# Altium PCB board.PcbDoc (part 1 of 2) (continued)
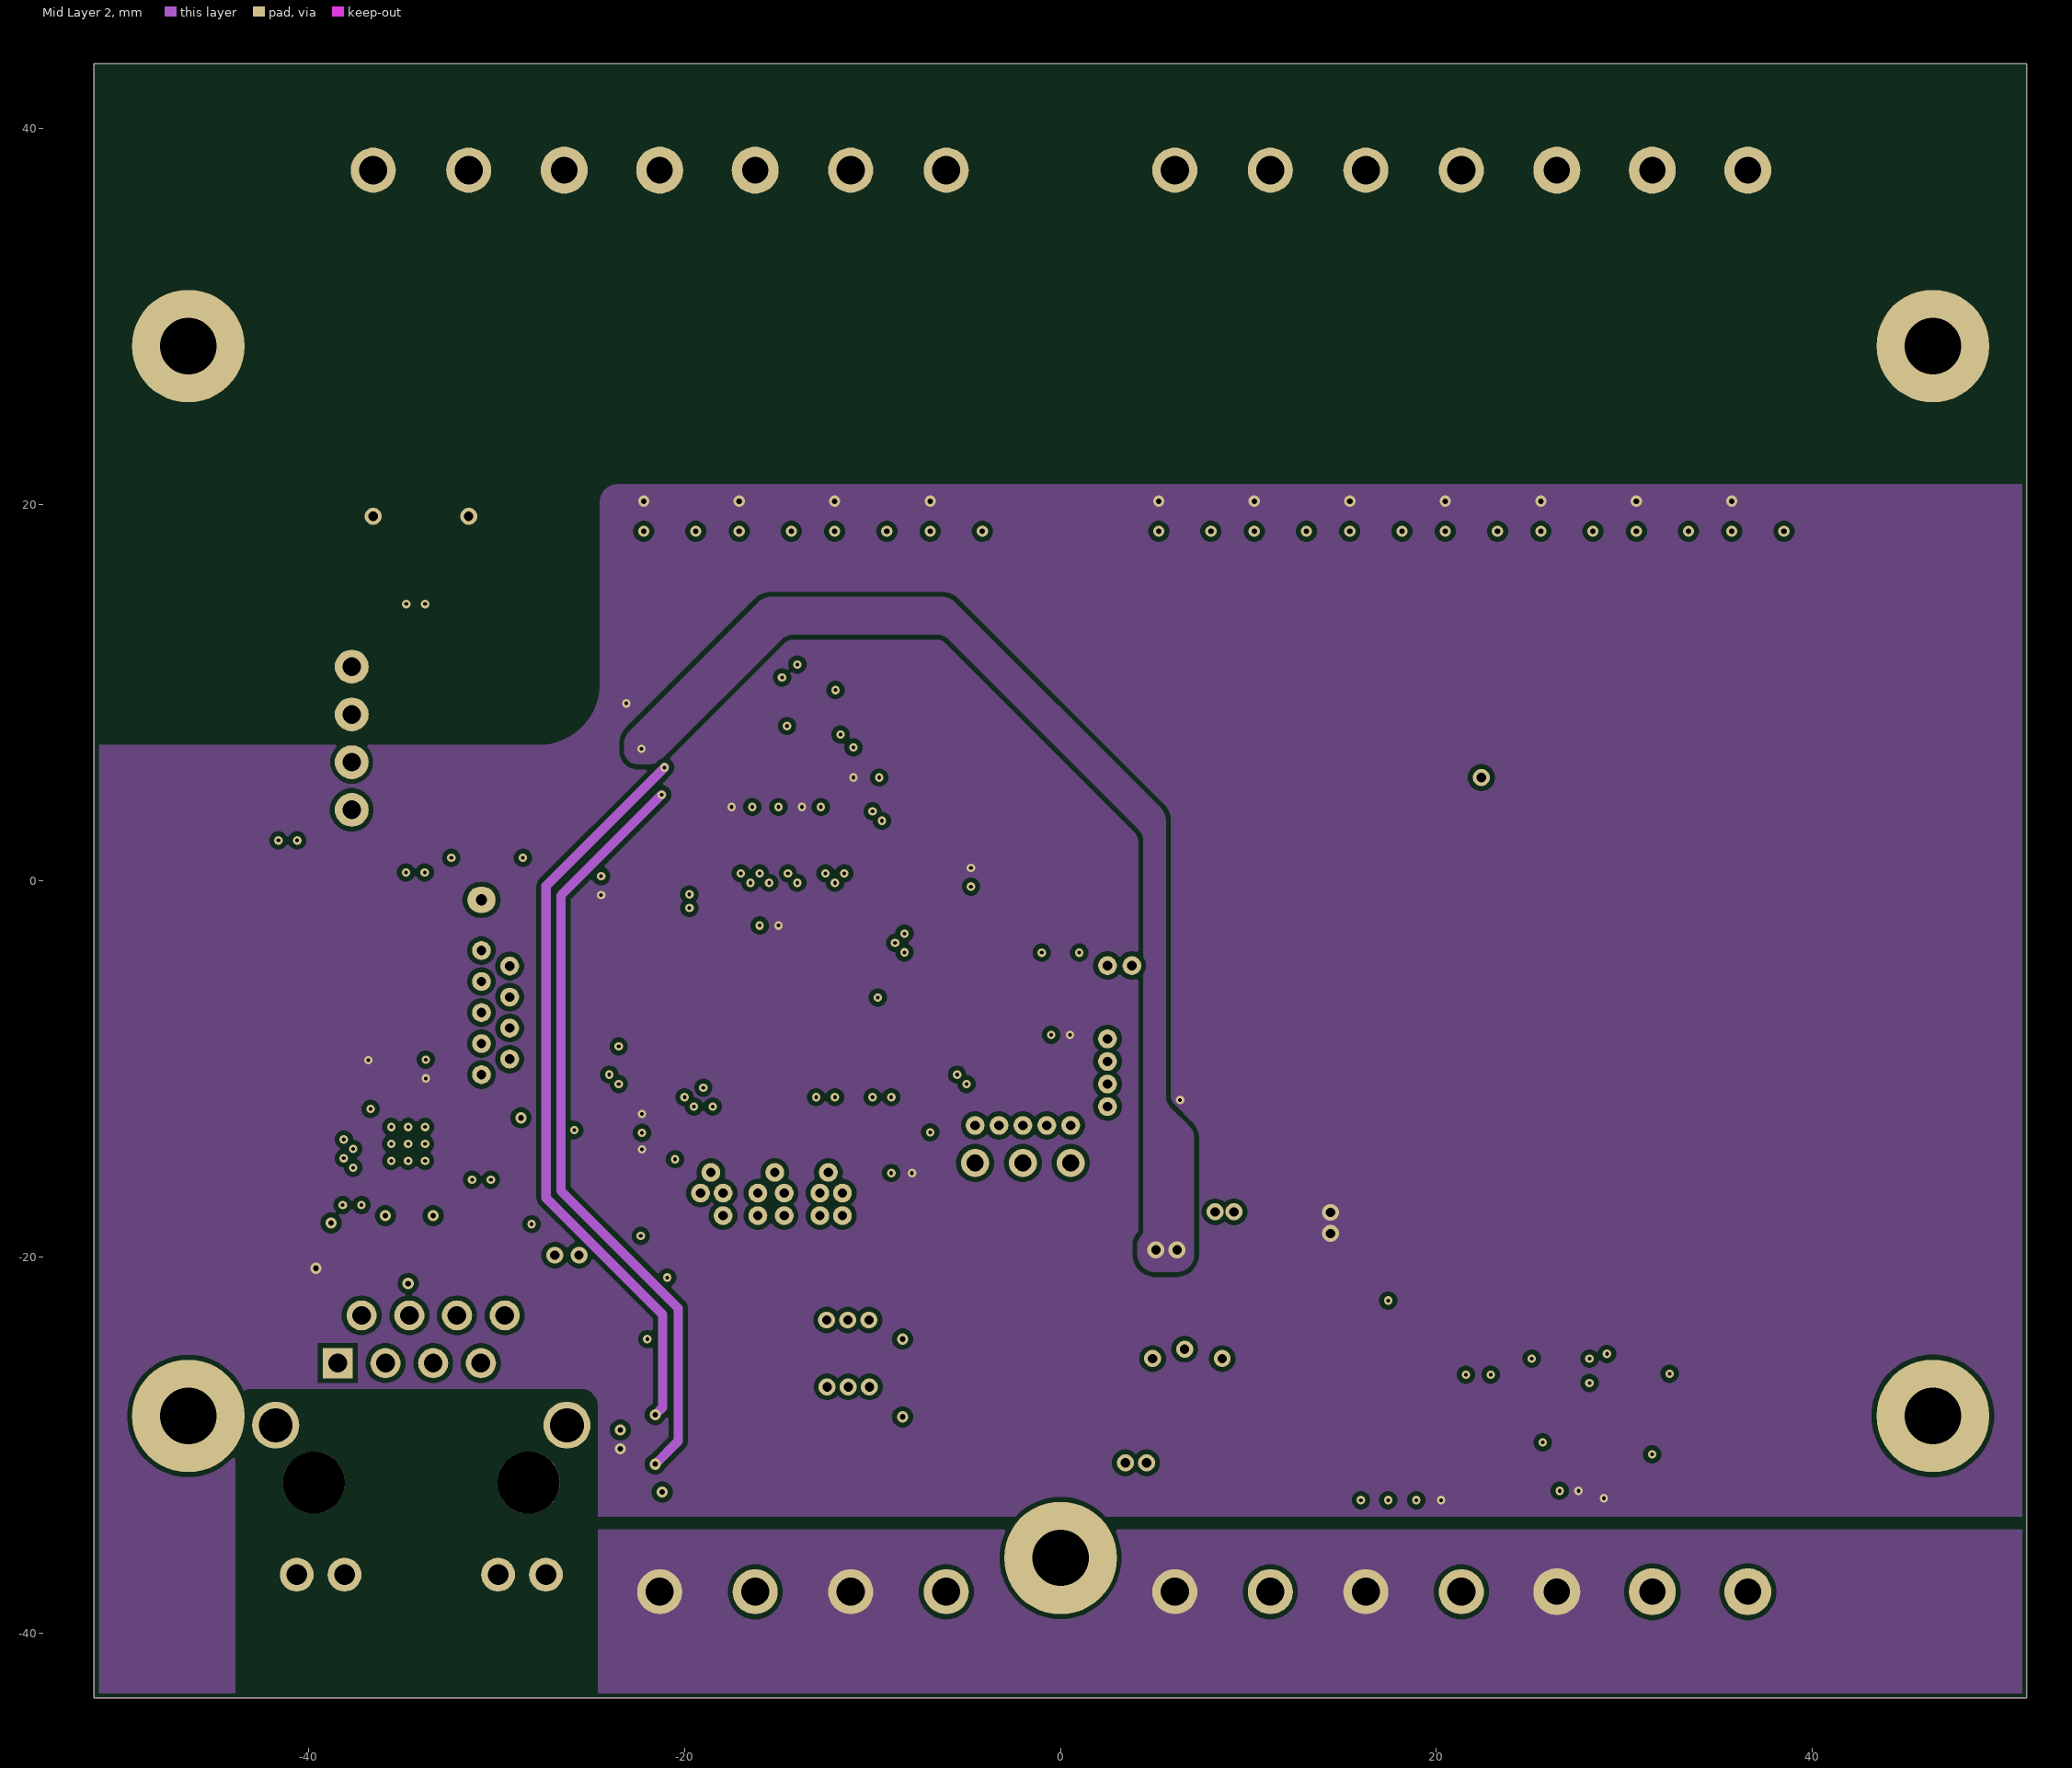
[diagram p3: Mid Layer 2]
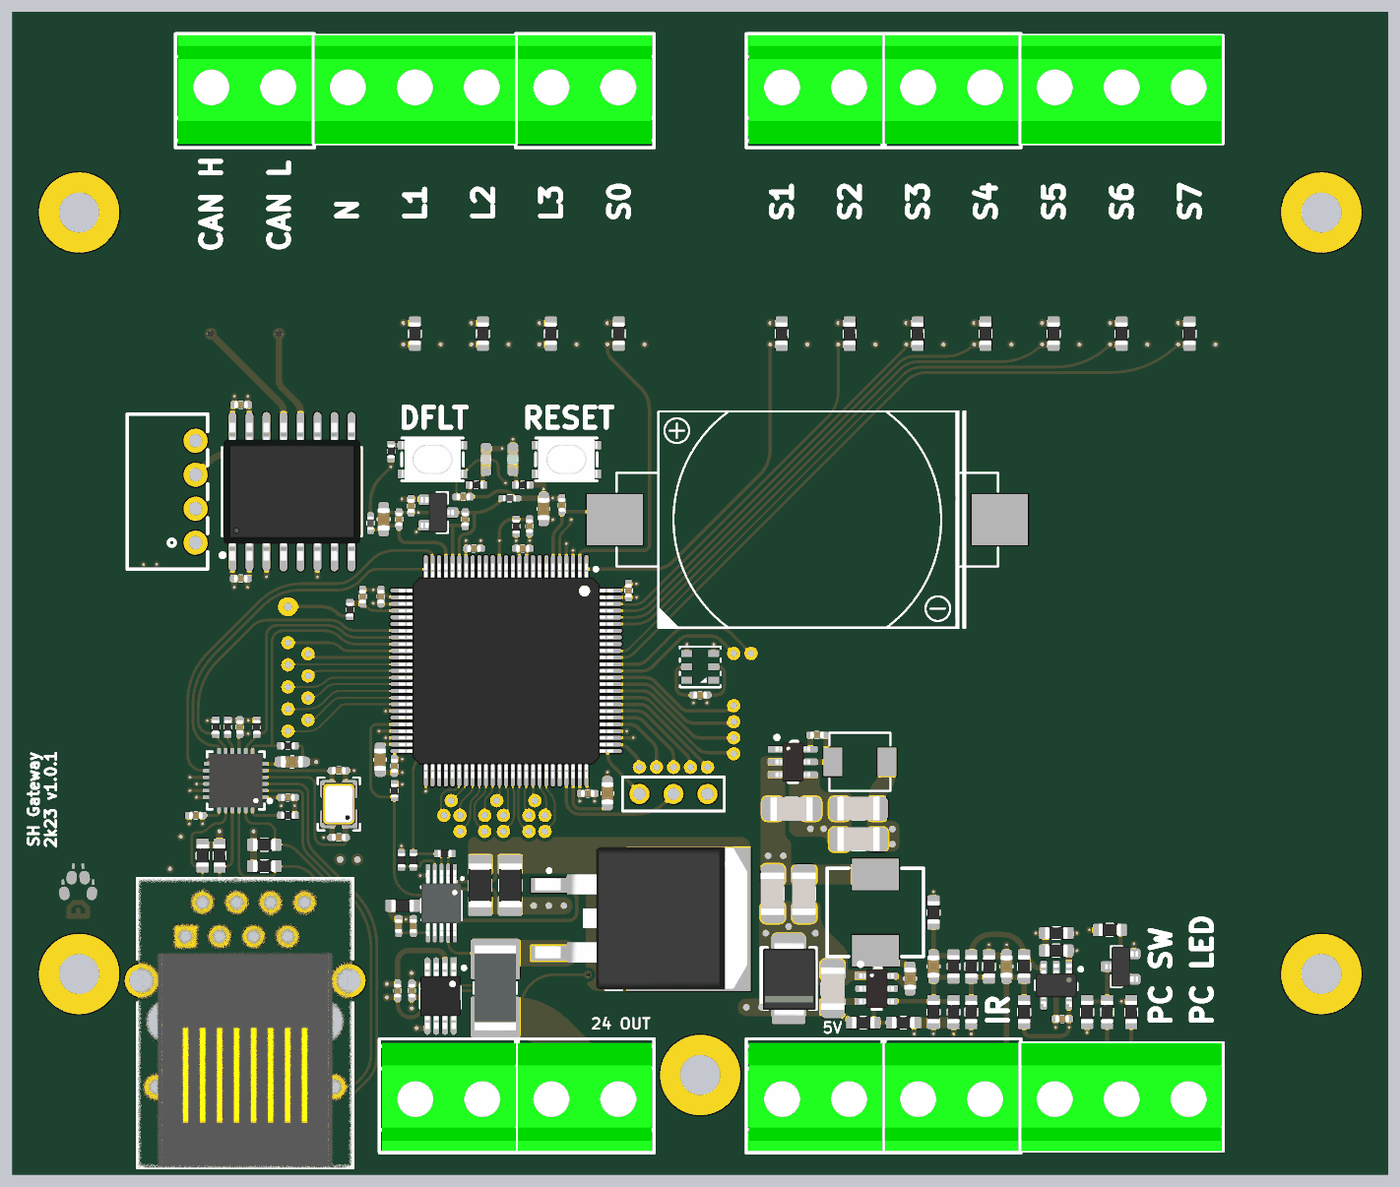
[diagram p5: 3D render of the assembled board from above, using the file's embedded part models]
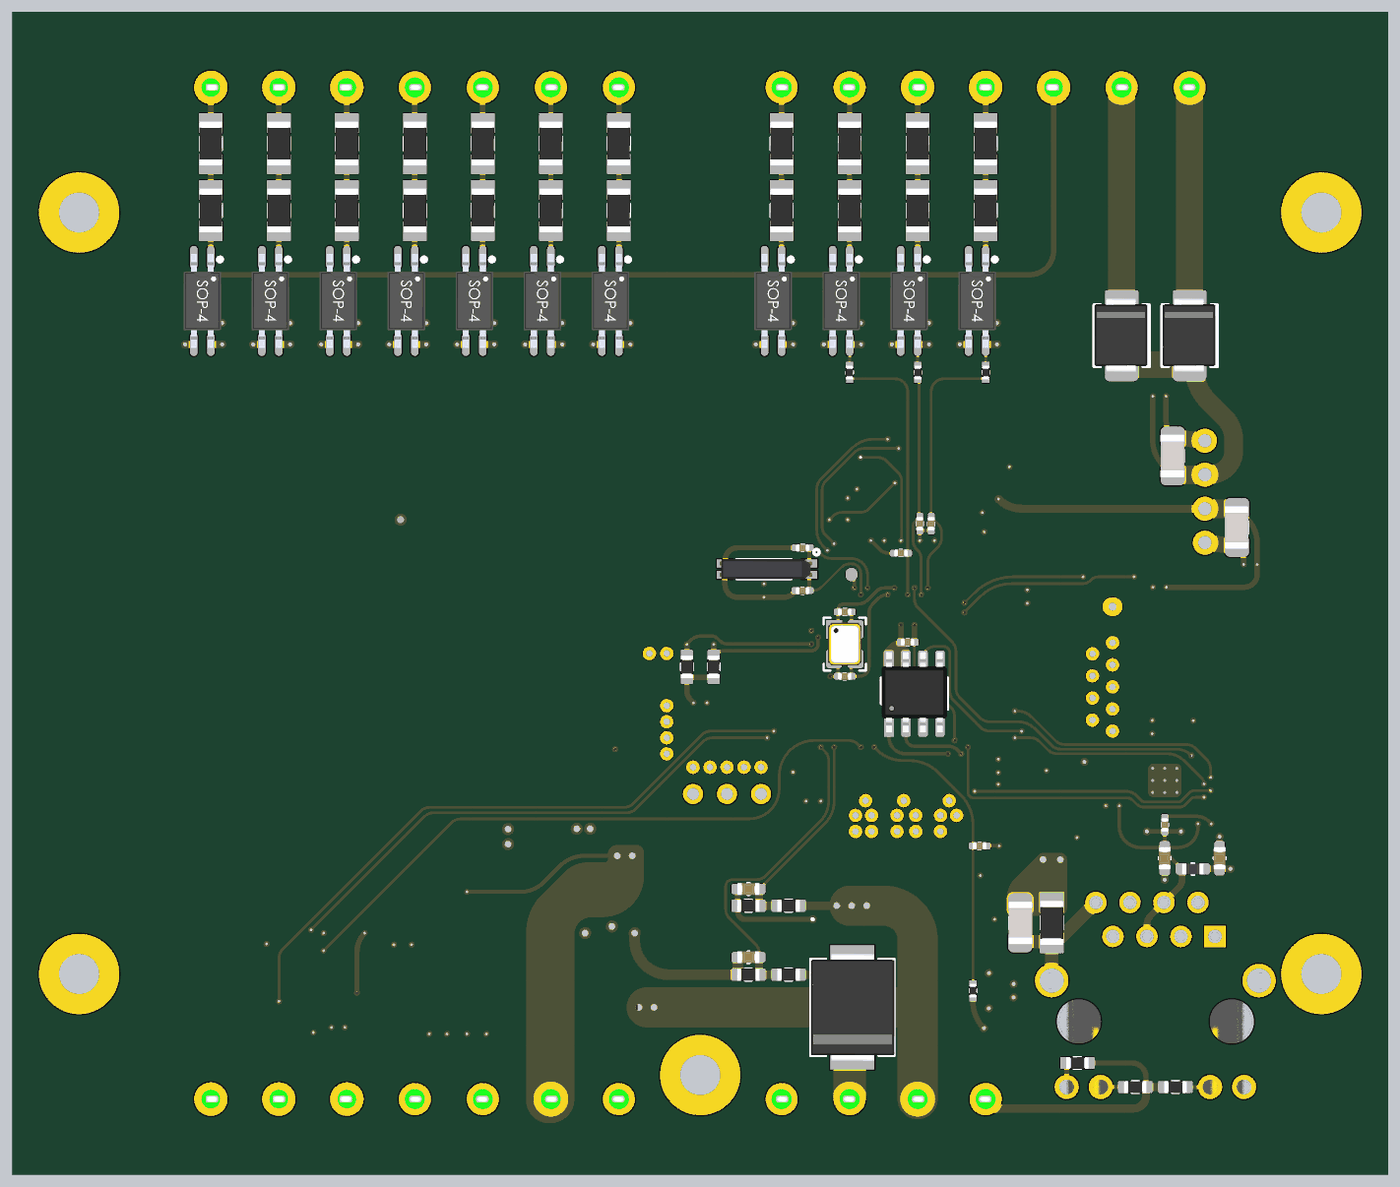
[diagram p6: 3D render of the assembled board from below, using the file's embedded part models]

## Layer stack, top to bottom
Top Solder: solder mask 0.0127, Solder Resist, Dk 3.8
Top Layer: signal copper 0.035
Dielectric 1: prepreg 0.1, 2313, Dk 4.05
Mid Layer 1: plane copper 0.0175, net GND
Core: core 1.265, FR-4, Dk 4.5
Mid Layer 2: signal copper 0.0175
Dielectric 2: prepreg 0.1, 2313, Dk 4.05
Bottom Layer: signal copper 0.035
Bottom Solder: solder mask 0.0127, Solder Resist, Dk 3.8

## Board outline
-51.4,-43.45 -51.4,43.45 51.4,43.45 51.4,-43.45

## Design rules (kind name [scope] priority, off if disabled: settings)
AcuteAngle [All] p1: minimum=6.00000000000000E+0001 checktracksonly=FALSE
Clearance Clearance_1 [All] p1: gap=0.25 ignorepadtopadclearanceinfootprint=FALSE except(0.13: Arc-Arc Arc-Track Arc-SMDPad Arc-Via Track-Track Track-SMDPad Track-Via SMDPad-SMDPad SMDPad-Via THPad-Via Via-Via; 0.15: Arc-THPad Arc-Text Arc-Hole Track-THPad Track-Text Track-Hole SMDPad-THPad SMDPad-Text SMDPad-Hole THPad-THPad THPad-Text THPad-Hole Via-Text Via-Hole Fill-Text Fill-Hole Poly-Text Poly-Hole Region-Text Region-Hole Text-Text Text-Hole)
ComponentClearance ComponentClearance_1 [HasFootprint('TP_TH_MICRO')] p1: gap=-1 collisioncheckmode=3 verticalgap=2540 showdistances=FALSE
ComponentClearance ComponentClearance_3 [HasFootprint('CONN-TH_DB127V-5.08-3P')] p2: gap=-1 collisioncheckmode=3 verticalgap=2540 showdistances=FALSE
ComponentClearance ComponentClearance_2 [HasFootprint('CONN-TH_2P-P5.08')] p3: gap=-1 collisioncheckmode=3 verticalgap=2540 showdistances=FALSE
ComponentClearance [All] p4: gap=0.3 collisioncheckmode=3 verticalgap=0.254 showdistances=FALSE
HoleSize [All] p1: absolutevalues=TRUE maxlimit=6 minlimit=0.2 maxpercent=80.000 minpercent=20.000
HoleToHoleClearance HoleToHoleClearance_1 [IsVia vs IsThruPin] p1: gap=0.7 allowstackedmicrovias=TRUE
HoleToHoleClearance [All] p2: gap=0.5 allowstackedmicrovias=TRUE
MinimumSolderMaskSliver [All] p1 off: minsoldermaskwidth=0.254
PlaneClearance [All] p1: clearance=0.45
PlaneConnect [All] p1: planeconnectstyle=Direct reliefexpansion=0.3 reliefentries=4 reliefconductorwidth=0.381 reliefairgap=0.178
PolygonConnect [All] p1: connectstyle=Direct reliefconductorwidth=0.381 reliefentries=4 polygonreliefangle="90 Angle" airgapwidth=0.356
RoutingVias [All] p1: holewidth=0.3 width=0.6 viastyle="Through Hole" minholewidth=0.2 minwidth=0.45 maxholewidth=0.9 maxwidth=1.27
SilkToSilkClearance [All] p1 off: silktosilkclearance=0.254
SilkToSolderMaskClearance [IsPad] p1 off: minsilkscreentomaskgap=0.254 clearancetoexposedcopper=TRUE
SolderMaskExpansion [All] p1: expansion=0.102 istentingtop=FALSE
UnRoutedNet [All] p1: checkbadconnections=TRUE
Width [All] p1: maxlimit=3.81 minlimit=0.14 preferedwidth=0.254
21 further rules are at their usual default settings.

## Classes and differential pairs
net class 220: LGND NetJ9_1 NetJ9_2 NetJ10_1 NetJ10_2 NetJ11_1 NetJ11_2 NetJ12_1 NetJ12_2 NetJ13_1 NetJ13_2 NetJ13_3 NetR48_2 NetR49_2 NetR50_2 NetR51_2 NetR52_2 NetR53_2 NetR54_2 NetR55_2 NetR56_2 NetR57_2 NetR58_2 NetR60_2 NetR61_2 NetR62_2 NetR63_2 NetR64_2 NetR65_2 NetR66_2 NetR67_2 NetR68_2 NetR69_2 NetR70_2

## Components (designator, comment, footprint, x,y, rotation, side; value= is the part's Value field where it differs from the comment)
B1 "CR2032-BS-6-1" BAT-TH_CR2032-BS-6-1 8,5.5 r180 top
C1 "100nF" C0603 22.882,-27.893 r270 top
C2 "18pF" C0402 -27,-13.25 r180 top
C3 "18pF" C0402 -27,-18.25 r0 top
C4 "100nF" C0402 -21.425,-24.864 r270 top
C5 "100nF" C0402 -22.537,-24.864 r270 top
C6 "1uF" C0603 -38.8,-19.8 r270 bottom
C7 "10uF" C1206 9.877,-29.543 r270 top
C8 "100nF" C0402 27.05,-31.8 r0 top
C9 "10uF" C1206 6.825,-16.1 r180 top
C10 "1uF" C0603 -34.7,-19.8 r90 bottom
C11 "100nF" C0402 -17.702,7.2 r180 top
C12 "1uF" C0603 -30.5,-12.6 r180 top
C13 "100nF" C0402 8.725,-10.6 r0 top
C14 "100nF" C0603 15.677,-28.793 r90 top
C15 "100nF" C0402 -34.4,-10 r270 top
C16 "100nF" C0402 -30.8,-15.25 r180 top
C17 "100nF" C0402 -37.68,-16.6 r0 top
C18 "75pF" C0603 17.427,-27.893 r90 top
C19 "10uF" C1206 11.825,-18.4 r0 top
C20 "100nF" C0402 -34.7,-17.3 r270 bottom
C21 "10uF" C1206 11.825,-16.1 r0 top
C22 "10uF" C1206 5.425,-22.45 r90 top
C23 "10uF" C1206 7.775,-22.45 r90 top
C24 "100nF" C0603 -3.6,-22.1 r180 bottom
C25 "100nF" C0402 -34.32,1.088 r180 top
C26 "100nF" C0603 -3.6,-27.2 r180 bottom
C27 "100nF" C0402 -22.6,-29.7 r270 top
C28 "10uF" C1206 -40.1,4.918 r90 bottom
C29 "100nF" C0402 -21.559,-29.7 r270 top
C30 "1nF 2kV" C1206 -23.9,-24.629 r270 bottom
C31 "100pF" C0402 -20.875,-18.88 r180 bottom
C32 "18pF" C0402 -7.65,0.2 r180 bottom
C33 "100nF" C0402 -10.331,6.6 r270 top
C34 "100nF" C0402 0,-7.6 r0 top
C35 "100nF" C0402 -15.5,-3.658 r0 bottom
C36 "100pF" C0402 -25.219,-0.25 r270 top
C37 "10uF" C1206 -35.3,10.258 r90 bottom
C38 "18pF" C0402 -7.65,3.4 r180 bottom
C39 "100nF" C0402 -34.3,14.088 r180 top
C40 "100nF" C0402 -21.6,6.533 r90 top
C41 "100nF" C0402 -5.35,0.2 r90 top
C42 "100nF" C0402 -8.4,-14.95 r0 top
C43 "100nF" C0402 -22.848,-12.9 r90 top
C44 "100nF" C0402 -16.9,3.35 r180 top
C45 "100nF" C0402 -13.25,3.35 r180 top
C46 "100nF" C0402 -23.85,-0.25 r270 top
C47 "18pF" C0402 -10.8,-1.4 r0 bottom
C48 "100nF" C0402 -17.554,5.533 r270 top
C49 "100nF" C0402 -22.5,5.533 r270 top
C50 "1uF" C0603 -6.931,-14.95 r270 top
C51 "1uF" C0603 -23.65,5.533 r270 top
C52 "1uF" C0603 -23.919,-12.435 r90 top
C53 "18pF" C0402 -10.8,-6.2 r180 bottom
C54 "100nF" C0402 -12.75,5.019 r90 top
C55 "1uF" C0603 -11.7,6.3 r270 top
C56 "100pF" C0402 -17.254,5.198 r90 bottom
C57 "100pF" C0402 -16.4,5.2 r90 bottom
C58 "100pF" C0402 -15,3 r180 bottom
D1 "SMBJ15A" SMB -31.48,19.238 r90 bottom
D2 "SMBJ15A" SMB -36.56,19.238 r90 bottom
D3 "24V" SMB 6.6,-28.793 r270 top
D4 "24V" SMC -11.36,-30.943 r90 bottom
D5 "GRN" LED-0603-GRN -14,10 r90 top
D6 "RED" LED-0603-RED -16,10 r90 top
J1 "24V" CONN-TH_2P-P5.08 -18.78,-37.8 r180 top
J2 "IR" CONN-TH_2P-P5.08 18.78,-37.8 r180 top
J3 "PC" CONN-TH_DB127V-5.08-3P 31.48,-37.8 r0 top
J4 "5V" CONN-TH_2P-P5.08 8.62,-37.8 r180 top
J5 "CAN" CONN-TH_2P-P5.08 -34.02,37.8 r0 top
J6 "SWD" HDR-1X3 -2,-15 r90 top
J7 "HR911105A_C12074" RJ45-TH_HR911105A -34,-30 r0 top
J8 "24V" CONN-TH_2P-P5.08 -8.62,-37.8 r180 top
J9 "" CONN-TH_DB127V-5.08-3P -21.32,37.8 r180 top
J10 "" CONN-TH_2P-P5.08 -8.62,37.8 r0 top
J11 "" CONN-TH_2P-P5.08 8.62,37.8 r0 top
J12 "" CONN-TH_2P-P5.08 18.78,37.8 r0 top
J13 "" CONN-TH_DB127V-5.08-3P 31.48,37.8 r180 top
L1 "BEAD" L0603 -36.8,-20.6 r180 bottom
L2 "10UH" IND-SMD_L7.2-W6.6_GPSR07X0 13.077,-23.85 r90 top
L3 "4.7uH" IND-SMD_L4.4-W4.2 11.925,-12.6 r180 top
L4 "BEAD" L0402 -24.625,5.233 r270 top
L5 "BEAD" L0402 -14.25,7.1 r180 top
Q1 "MMBT2222A" SOT-23 31.4,-27.893 r0 top
Q2 "IRF540N" D2PAK -4.437,-24.364 r0 top
R1 "10k" R0402 -33.13,-10 r270 top
R2 "10k" R0402 -30.8,-11.4 r180 top
R3 "10k" R0603 32.2,-31.293 r270 top
R4 "10k" R0603 30.4,-31.293 r270 top
R5 "10k" R0402 -36.2,-10 r90 top
R6 "10k" R0402 -35.3,-10 r270 top
R7 "10k" R0603 24.2,-31.293 r90 top
R8 "10k" R0603 24.2,-27.893 r90 top
R9 "10k" R0603 20.246,-31.293 r90 top
R10 "10k" R0603 21.564,-27.893 r90 top
R11 "10k" R0603 20.246,-27.893 r90 top
R12 "100k" R0402 -19.086,-19.464 r0 top
R13 "4k7" R0402 -21.437,-19.94 r270 top
R14 "10k" R0402 -22.327,-19.94 r270 top
R15 "10k" R0603 28.9,-31.293 r90 top
R16 "10k" R0603 30.6,-25.15 r0 top
R17 "10k" R0603 26.6,-25.4 r0 top
R18 "12k" R0603 -22.237,-23.348 r180 top
R19 "10k" R0603 26.6,-26.7 r0 top
R20 "330k" R0603 12.177,-32.094 r0 top
R21 "27k" R0603 15.177,-32.094 r0 top
R22 "10k" R0402 -23.1,10.6 r90 top
R23 "49.9R" R0603 -35.91,-19.6 r90 top
R24 "49.9R" R0603 -37.18,-19.6 r90 top
R25 "12k" R0402 -30.8,-16.6 r180 top
R26 "10k" R0402 -22.847,-14.75 r90 top
R27 "49.9R" R0603 -32.57,-18.8 r180 top
R28 "39mR" R1206 -14.187,-21.824 r270 top
R29 "49.9R" R0603 -32.57,-20.4 r180 top
R30 "27mR" R1206 -16.437,-21.824 r270 top
R31 "27k" R0603 18.927,-31.293 r270 top
R32 "49.9R" R0603 17.427,-23.85 r270 top
R33 "100k" R0603 18.927,-27.893 r270 top
R34 "27k" R0603 17.427,-31.293 r270 top
R35 "2mR" R2512-WIDE -15.312,-29.5 r270 top
R36 "10k" R0603 -28.175,-35.1 r0 bottom
R37 "470" R0603 -32.5,-36.895 r0 bottom
R38 "330k" R0603 -6.6,-23.348 r0 bottom
R39 "1k" R0603 -3.6,-23.348 r0 bottom
R40 "470" R0603 -35.5,-36.895 r180 bottom
R41 "330k" R0603 -6.6,-28.5 r0 bottom
R42 "1k" R0603 -3.6,-28.5 r0 bottom
R43 "4k7" R0402 -13.274,8.1 r0 top
R44 "4k7" R0402 -16.726,8.1 r180 top
R45 "1M" R1206 -26.255,-24.629 r90 bottom
R46 "4k7" R0402 -20.375,-29.7 r90 bottom
R47 "4k7" R0402 -26.166,-1.226 r90 top
R48 "220k" R1206 -21.32,33.6 r270 bottom
R49 "220k" R1206 -16.24,33.6 r270 bottom
R50 "220k" R1206 -11.16,33.6 r270 bottom
R51 "220k" R1206 -6.08,33.6 r270 bottom
R52 "220k" R1206 6.08,33.6 r270 bottom
R53 "220k" R1206 11.16,33.6 r270 bottom
R54 "220k" R1206 16.24,33.6 r270 bottom
R55 "220k" R1206 21.32,33.6 r270 bottom
R56 "220k" R1206 26.4,33.6 r270 bottom
R57 "220k" R1206 31.48,33.6 r270 bottom
R58 "220k" R1206 36.56,33.6 r270 bottom
R59 "470" R0603 1,-5.5 r270 bottom
R60 "220k" R1206 -21.32,28.6 r270 bottom
R61 "220k" R1206 -16.24,28.6 r270 bottom
R62 "220k" R1206 -11.16,28.6 r270 bottom
R63 "220k" R1206 -6.08,28.6 r270 bottom
R64 "220k" R1206 6.08,28.6 r270 bottom
R65 "220k" R1206 11.16,28.6 r270 bottom
R66 "220k" R1206 16.24,28.6 r270 bottom
R67 "220k" R1206 21.32,28.6 r270 bottom
R68 "220k" R1206 26.4,28.6 r270 bottom
R69 "220k" R1206 31.48,28.6 r270 bottom
R70 "220k" R1206 36.56,28.6 r270 bottom
R71 "470" R0603 -1,-5.5 r270 bottom
R72 "4k7" R0402 -13.75,4.995 r90 top
R73 "10k" R0603 -21.32,19.395 r270 top
R74 "10k" R0603 -16.24,19.395 r270 top
R75 "10k" R0603 -11.16,19.395 r270 top
R76 "10k" R0603 -6.08,19.395 r270 top
R77 "10k" R0603 6.08,19.395 r270 top
R78 "10k" R0603 11.16,19.395 r270 top
R79 "10k" R0603 16.24,19.395 r270 top
R80 "10k" R0603 21.32,19.395 r270 top
R81 "10k" R0603 26.4,19.395 r270 top
R82 "10k" R0603 31.48,19.395 r270 top
R83 "10k" R0603 36.56,19.395 r270 top
R84 "4k7" R0402 -21.32,16.5 r270 bottom
R85 "4k7" R0402 -16.24,16.5 r270 bottom
R86 "4k7" R0402 -11.16,16.5 r270 bottom
SW1 "PTS810SJS250" BTN_PTS810 -20,10 r0 top
SW2 "PTS810SJS250" BTN_PTS810 -10,10 r0 top
TP1 "" TP_TH_MICRO#1 -30.8,-1.002 r180 top
TP2 "" TP_TH_MICRO#2 -12.35,-15.5 r270 top
TP3 "" TP_TH_MICRO#2 -11.6,-16.6 r270 top
TP4 "" TP_TH_MICRO#2 -11.6,-17.8 r90 top
TP5 "" TP_TH_MICRO#2 -4.54,-13 r90 top
TP6 "" TP_TH_MICRO#2 -14.7,-16.6 r90 top
TP7 "" TP_TH_MICRO#2 -14.7,-17.8 r90 top
TP8 "" TP_TH_MICRO#2 -12.8,-17.8 r90 top
TP9 "" TP_TH_MICRO#2 -12.8,-16.6 r90 top
TP10 "" TP_TH_MICRO#2 -3.27,-13 r270 top
TP11 "" TP_TH_MICRO#3 -11.3,1.4 r90 top
TP12 "" TP_TH_MICRO#2 -29.3,-6.175 r180 top
TP13 "" TP_TH_MICRO#2 -30.8,-7 r180 top
TP14 "" TP_TH_MICRO#2 -29.3,-7.825 r180 top
TP15 "" TP_TH_MICRO#2 -30.8,-8.65 r180 top
TP16 "" TP_TH_MICRO#2 -29.3,-9.475 r180 top
TP17 "" TP_TH_MICRO#2 -30.8,-10.3 r180 top
TP18 "" TP_TH_MICRO#2 -30.8,-3.7 r180 top
TP19 "" TP_TH_MICRO#2 -29.3,-4.525 r180 top
TP20 "" TP_TH_MICRO#2 -30.8,-5.35 r180 top
TP21 "" TP_TH_MICRO#2 3.8,-4.5 r270 top
TP22 "" TP_TH_MICRO#2 -2,-13 r90 top
TP23 "" TP_TH_MICRO#2 -0.73,-13 r270 top
TP24 "" TP_TH_MICRO#2 0.54,-13 r270 top
TP25 "" TP_TH_MICRO#2 2.5,-12 r0 top
TP26 "" TP_TH_MICRO#2 2.5,-10.8 r0 top
TP27 "" TP_TH_MICRO#2 2.5,-9.6 r0 top
TP28 "" TP_TH_MICRO#2 2.5,-8.4 r0 top
TP29 "" TP_TH_MICRO#2 2.5,-4.5 r270 top
TP30 "" TP_TH_MICRO#2 -19.15,-16.6 r90 top
TP31 "" TP_TH_MICRO#2 -18.6,-15.5 r90 top
TP32 "" TP_TH_MICRO#2 -17.95,-16.6 r90 top
TP33 "" TP_TH_MICRO#2 -17.95,-17.8 r90 top
TP34 "" TP_TH_MICRO#2 -16.1,-17.8 r90 top
TP35 "" TP_TH_MICRO#2 -16.1,-16.6 r90 top
TP36 "" TP_TH_MICRO#2 -15.2,-15.5 r90 top
U1 "LAN8720AI-CP-TR-ABC" QFN-24_L4.0-W4.0-P0.50-TL-EP2.5 -34.7,-14 r180 top
U2 "TS951ILT" SOT-23-5 26.6,-29.293 r90 top
U3 "LM5069MM-2" "VSSOP-10 (3x3x0.5)" -19.336,-23.164 r180 top
U4 "TPS54302" SOT-23-6#1 13.177,-29.543 r180 top
U5 "AP63203WU-7" SOT-23-6#2 6.925,-12.6 r270 top
U6 "AD8418BRMZ" MSOP8 -19.4,-30.1 r180 top
U7 "ISO1050DWR" SOIC-16_L10.3-W7.5-P1.27-LS10.3-BL -30.5,7.588 r0 top
U8 "B0505S-1WR3_C512048" PWRM-TH_BXXXXS-1WR3 -37.7,7.588 r90 top
U9 "AHT21" SENSOR-SMD_L3.0-W3.0-P1.00-BR 0,-5.5 r0 top
U10 "FM25V10-GTR" SOIC-8 -16,-7.5 r180 bottom
U11 "STM32F407VET6" LQFP-100 -14.5,-5.8 r270 top
U12 "NCP51460SN33T1G" SOT-23 -19.562,6.033 r180 top
VD1 "EL3H4(A)(TA)-VG" SOP-4_L4.4-W2.8-P1.27-LS7.0-TL -20.685,21.85 r270 bottom
VD2 "EL3H4(A)(TA)-VG" SOP-4_L4.4-W2.8-P1.27-LS7.0-TL -15.605,21.85 r270 bottom
VD3 "EL3H4(A)(TA)-VG" SOP-4_L4.4-W2.8-P1.27-LS7.0-TL -10.525,21.85 r270 bottom
VD4 "EL3H4(A)(TA)-VG" SOP-4_L4.4-W2.8-P1.27-LS7.0-TL -5.445,21.85 r270 bottom
VD5 "EL3H4(A)(TA)-VG" SOP-4_L4.4-W2.8-P1.27-LS7.0-TL 6.715,21.85 r270 bottom
VD6 "EL3H4(A)(TA)-VG" SOP-4_L4.4-W2.8-P1.27-LS7.0-TL 11.795,21.85 r270 bottom
VD7 "EL3H4(A)(TA)-VG" SOP-4_L4.4-W2.8-P1.27-LS7.0-TL 16.875,21.85 r270 bottom
VD8 "EL3H4(A)(TA)-VG" SOP-4_L4.4-W2.8-P1.27-LS7.0-TL 21.955,21.85 r270 bottom
VD9 "EL3H4(A)(TA)-VG" SOP-4_L4.4-W2.8-P1.27-LS7.0-TL 27.035,21.85 r270 bottom
VD10 "EL3H4(A)(TA)-VG" SOP-4_L4.4-W2.8-P1.27-LS7.0-TL 32.115,21.85 r270 bottom
VD11 "EL3H4(A)(TA)-VG" SOP-4_L4.4-W2.8-P1.27-LS7.0-TL 37.195,21.85 r270 bottom
X1 "25MHZ" CRYSTAL_3.2x2.5mm -27,-15.75 r90 top
X2 "32.768kHz" MC-146 -5,1.8 r0 bottom
X3 "12MHZ" CRYSTAL_3.2x2.5mm -10.8,-3.8 r270 bottom
